# KiCad board main-pcb.kicad_pcb
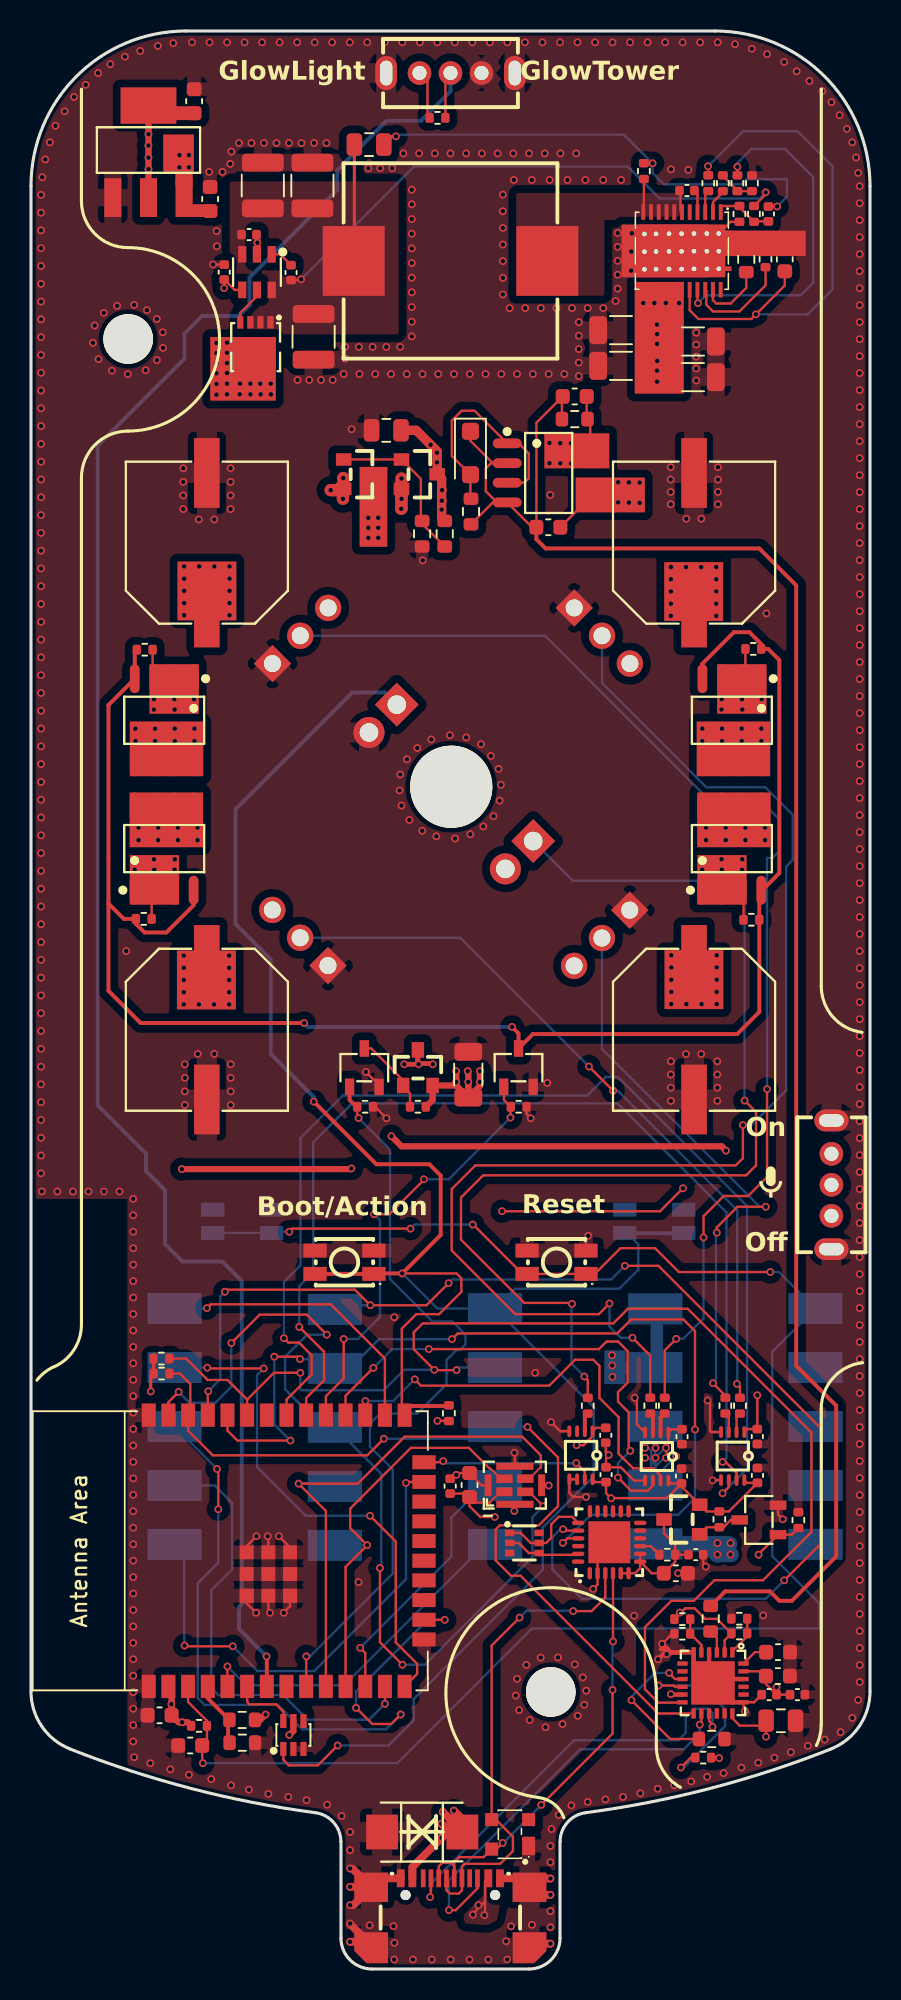
[diagram p0: board, top side]
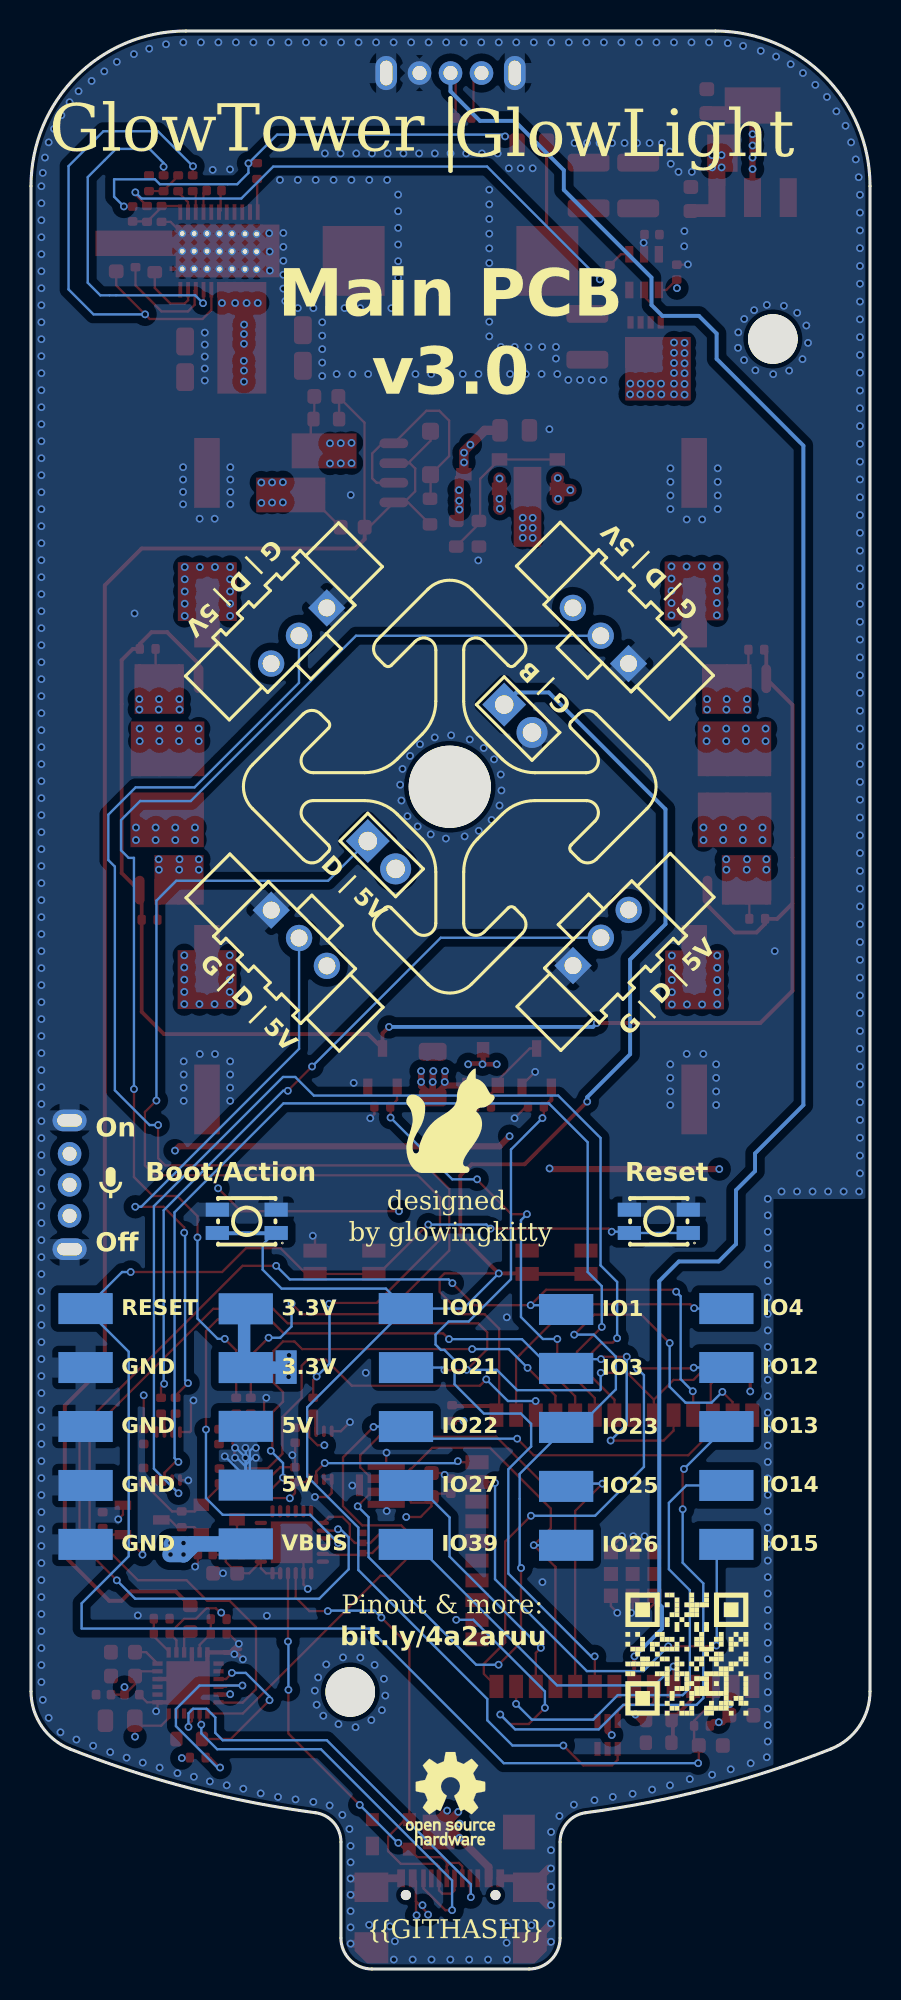
[diagram p1: board, bottom side, seen from below]

Outline 54.14 x 125 mm; copper layers: Top, In1.Cu, In2.Cu, In3.Cu, In4.Cu, Bottom. Coordinates in mm from the lower left corner of the outline.
Outline path: 0,115 0,17.91 arc(0.69,15.66) 2.53,14.19 arc(10.31,11.65) 18.35,10.08 arc(19.53,9.45) 20,8.2 20,2 arc(20.59,0.59) 22,0 32.14,0 arc(33.55,0.59) 34.14,2 34.14,8.2 arc(34.61,9.45) 35.79,10.08 arc(43.83,11.65) 51.61,14.19 arc(53.45,15.66) 54.14,17.91 54.14,115 arc(51.21,122.07) 44.14,125 9.99,125 arc(2.93,122.07) 0,115
Stack: Top 0.035mm / dielectric 0.1mm FR4 er 4.5 / In1.Cu 0.035mm / dielectric 0.535mm FR4 er 4.5 / In2.Cu 0.035mm / dielectric 0.1mm FR4 er 4.5 / In3.Cu 0.035mm / dielectric 0.535mm FR4 er 4.5 / In4.Cu 0.035mm / dielectric 0.1mm FR4 er 4.5 / Bottom 0.035mm

## Placement (name value [footprint] x y rotation side)
C1  -  [C0603]  8.3 16.36 180 top
C2  -  [C0603]  10.27 14.41 180 top
C3  -  [C0402]  42.9 26.72 0 top
C4  -  [C0603]  41.61 25.52 0 top
C5  -  [C0603]  28.3 31.21 90 top
C6  -  [C0402]  27.05 31.14 90 top
C7  -  [C0402]  46.88 31.83 90 top
C8  -  [C0402]  46.87 34.34 270 top
C9  -  [C0402]  41.98 31.79 90 top
C10  -  [C0402]  42.01 34.33 270 top
C11  -  [C0402]  37.11 31.88 90 top
C12  -  [C0402]  37.09 34.42 270 top
C13  -  [C0805]  22.93 99.24 180 top
C14  -  [C0603]  35.08 101.43 180 top
C15  -  [C0603]  33.38 92.99 180 top
C16  -  [C0805]  48.39 16.01 0 top
C17  -  [C0603]  48.21 20.43 0 top
C18  -  [C0603]  48.2 18.89 0 top
C19  -  [C0402]  49.46 17.69 0 top
C20  -  [C0402]  47.63 17.69 180 top
C21  -  [C1206]  42.72 104.97 0 top
C22  -  [C1206]  42.72 102.67 0 top
C23  -  [C1206]  38.07 103.4 180 top
C24  -  [C1206]  38.07 105.7 180 top
C25  -  [C0402]  42.32 114.71 0 top
C26  -  [C0805]  21.82 117.67 180 top
C27  -  [C0402]  47.58 113.2 90 top
C28  -  [C1210]  18.16 115.03 90 top
C29  -  [C1210]  18.24 105.27 270 top
C30  -  [C1210]  14.96 115.03 90 top
C31  -  [C0603]  48.64 110.27 90 top
C32  -  [C0402]  14.07 111.87 0 top
C33  -  [C0402]  16.78 109.42 90 top
C34  -  [C0402]  12.47 109.45 90 top
C35  -  [C0603]  11.56 114.16 90 top
C36  -  [C0603]  10.53 120.47 90 top
C37  -  [C1206]  28.22 57.68 90 top
C38  -  [CAP-SMD_BD10.0-L10.3-W10.3-LS10.9-FD]  11.35 91.99 90 top
C39  -  [CAP-SMD_BD10.0-L10.3-W10.3-LS10.9-FD]  42.79 91.99 90 top
C40  -  [CAP-SMD_BD10.0-L10.3-W10.3-LS10.9-FD]  11.35 60.58 270 top
C41  -  [CAP-SMD_BD10.0-L10.3-W10.3-LS10.9-FD]  42.79 60.58 270 top
DZ1  -  [D_SOD-123F]  28.36 97.78 270 top
L1  2.2 +/- 0.44 (20%) microhenry  [IND-SMD_L13.8-W12.6_SMMS1360]  27.07 110.17 180 top
R1  -  [R0402]  10.84 15.68 180 top
R2  -  [R0402]  26.97 35.85 270 top
R3  -  [R0402]  8.42 39.37 180 top
R4  -  [R0402]  8.42 38.41 180 top
R5  -  [R0402]  41.06 26.72 0 top
R6  -  [R0402]  44.42 29 90 top
R7  -  [R0402]  49.52 28.95 90 top
R8  -  [R0402]  26.23 119.4 180 top
R9  -  [R0402]  40.9 36.33 270 top
R10  -  [R0402]  39.96 36.33 270 top
R11  -  [R0402]  45.75 36.33 270 top
R12  -  [R0402]  44.81 36.33 270 top
R13  -  [R0402]  35.93 36.33 270 top
R14  -  [R0603]  35.08 99.97 180 top
R15  -  [R0603]  43.86 22.59 90 top
R16  -  [R0603]  28.39 94.01 270 top
R17  -  [R0603]  26.7 92.57 270 top
R18  -  [R0603]  25.24 92.57 90 top
R19  -  [R0603]  43.93 14.83 0 top
R20  -  [R0402]  43.38 13.63 0 top
R21  -  [R0603]  13.63 16.06 180 top
R22  -  [R0603]  13.64 14.59 180 top
R23  -  [R0402]  45.71 21.64 0 top
R24  -  [R0402]  45.71 22.59 0 top
R25  -  [R0402]  42.03 22.56 0 top
R26  -  [R0402]  42.03 21.62 0 top
R27  -  [R0402]  44.64 115.18 270 top
R28  -  [R0402]  45.58 115.18 270 top
R29  -  [R0402]  46.52 115.18 90 top
R30  -  [R0402]  39.55 115.96 90 top
R31  -  [R0402]  46.65 113.2 270 top
R32  -  [R0402]  45.71 113.2 270 top
R33  -  [R0402]  43.7 115.18 90 top
R34  -  [R0402]  47.4 110.27 90 top
R35  -  [R0603]  46.15 110.27 90 top
R36  -  [R0402]  24.97 55.61 0 top
R37  -  [R0402]  21.56 55.61 0 top
R38  -  [R0402]  7.34 85.09 0 top
R39  -  [R0402]  46.61 85.14 180 top
R40  -  [R0402]  7.28 67.73 0 top
R41  -  [R0402]  46.49 67.67 180 top
R42  -  [R0402]  31.47 55.61 0 top
REF**  -  [OSHW-Logo_5.7x6mm_SilkScreen]  27.08 10.98 180 bottom
U1  -  [ESP32-WROOM-32E]  14.61 26.97 90 top
U2  -  [SW-SMD_4P-L3.7-W3.0-P1.50-LS4.7]  33.91 45.58 180 top
U3  -  [SW-SMD_4P-L3.7-W3.0-P1.50-LS4.7]  20.23 45.58 180 top
U4  -  [SW-SMD_4P-L3.7-W3.0-P1.50-LS4.7]  40.22 48.22 0 bottom
U5  -  [SW-SMD_4P-L3.7-W3.0-P1.50-LS4.7]  13.63 48.22 0 bottom
U6  -  [USB-C-SMD_TYPE-C-31-M-22]  27.06 3.61 0 top
U7  -  [SMB_L4.6-W3.6-LS5.3-BI]  25.25 8.83 180 top
U8  -  [QFN-24_L4.0-W4.0-P0.50-TL-EP2.6]  37.31 27.52 90 top
U9  -  [SOT-143-4_L2.9-W1.3-P1.92-LS2.4-BL]  30.92 8.68 90 top
U10  -  [SC-70-6_L2.2-W1.3-P0.65-LS2.1-BR]  31.84 27.48 180 top
U11  -  [SOT-23_L2.9-W1.3-P1.90-LS2.4-BR]  42 28.99 0 top
U12  -  [SOT-23-3_L2.9-W1.6-P1.90-LS2.8-BR]  46.97 28.96 0 top
U13  -  [MIC-SMD_8P-L4.0-W3.0_ZTS6231]  31.22 31.18 270 top
U14  -  [SW-TH_SK12D07VG4]  51.65 50.58 90 top
U15  -  [SW-TH_SK12D07VG4]  27.07 122.29 180 top
U16  -  [HDR-TH_3P-P2.54-V-M]  17.38 85.99 45 bottom
U17  -  [HDR-TH_3P-P2.54-V-M]  36.85 85.99 315 bottom
U18  -  [HDR-TH_3P-P2.54-V-M]  17.37 66.51 135 bottom
U19  -  [HDR-TH_3P-P2.54-V-M]  36.84 66.5 225 bottom
U20  -  [HDR-TH_2P-P2.54-V-M]  22.71 80.65 225 bottom
U21  -  [HDR-TH_2P-P2.54-V-M]  31.51 71.85 225 bottom
U22  -  [VSSOP-8_L2.4-W2.1-P0.50-LS3.2-BR]  40.38 33.05 90 top
U23  -  [VSSOP-8_L2.4-W2.1-P0.50-LS3.2-BR]  45.28 33.08 90 top
U24  -  [VSSOP-8_L2.4-W2.1-P0.50-LS3.2-BR]  35.49 33.13 90 top
U25  -  [SOT-363_L2.0-W1.3-P0.65-LS2.1-BR]  16.93 15.09 270 top
U26  -  [TQFN-24_L4.0-W4.0-P0.50-TL-EP2.8]  44.01 18.45 270 top
U27  -  [SOP-8_L4.9-W3.9-P1.27-LS6.0-BL]  33.41 96.49 270 top
U28  -  [SOT-23_L2.9-W1.3-P1.90-LS2.4-BR]  25.06 96.41 180 top
U29  -  [SOT-23_L2.9-W1.3-P1.90-LS2.4-BR]  21.33 96.41 180 top
U30  -  [LSON-CLIP-22_L6.0-W5.0-P0.50-BL-EP]  41.92 111.04 180 top
U31  -  [SOT-23-6_L2.9-W1.6-P0.95-LS2.8-BL]  14.58 109.45 180 top
U32  -  [PDFN-8_L3.2-W3.0-P0.65-LS3.3-BL-1]  14.48 104.61 180 top
U33  -  [SOT-223-3_L6.5-W3.4-P2.30-LS7.0-BR]  7.58 117.22 270 top
U34  -  [SOT-23_L2.9-W1.3-P1.90-LS2.4-BR]  24.97 58.13 270 top
U35  -  [SOT-23-3_L2.9-W1.6-P1.90-LS2.8-BR]  21.51 58.13 270 top
U36  -  [SOP-8_L4.9-W3.9-P1.27-LS6.0-BL]  8.6 80.54 180 top
U37  -  [SOP-8_L4.9-W3.9-P1.27-LS6.0-BL]  45.23 80.54 180 top
U38  -  [SOP-8_L4.9-W3.9-P1.27-LS6.0-BL]  8.6 72.26 0 top
U39  -  [SOP-8_L4.9-W3.9-P1.27-LS6.0-BL]  45.23 72.26 0 top
U40  -  [SOT-23-3_L2.9-W1.6-P1.90-LS2.8-BR]  31.46 58.13 270 top
U41  -  [SolderPad_2mm_3_5mm]  40.23 27.34 270 bottom
U42  -  [SolderPad_2mm_3_5mm]  40.23 34.92 270 bottom
U43  -  [SolderPad_2mm_3_5mm]  40.23 31.13 270 bottom
U44  -  [SolderPad_2mm_3_5mm]  40.23 42.51 270 bottom
U45  -  [SolderPad_2mm_3_5mm]  40.23 38.71 270 bottom
U46  -  [SolderPad_2mm_3_5mm]  50.57 34.91 270 bottom
U47  -  [SolderPad_2mm_3_5mm]  50.57 27.31 270 bottom
U48  -  [SolderPad_2mm_3_5mm]  50.57 31.11 270 bottom
U49  -  [SolderPad_2mm_3_5mm]  50.57 38.72 270 bottom
U50  -  [SolderPad_2mm_3_5mm]  29.89 38.71 270 bottom
U51  -  [SolderPad_2mm_3_5mm]  29.89 34.91 270 bottom
U52  -  [SolderPad_2mm_3_5mm]  19.56 34.85 270 bottom
U53  -  [SolderPad_2mm_3_5mm]  19.56 31.05 270 bottom
U54  -  [SolderPad_2mm_3_5mm]  19.56 27.25 270 bottom
U55  -  [SolderPad_2mm_3_5mm]  9.22 42.52 270 bottom
U56  -  [SolderPad_2mm_3_5mm]  9.22 34.91 270 bottom
U57  -  [SolderPad_2mm_3_5mm]  9.22 31.11 270 bottom
U58  -  [SolderPad_2mm_3_5mm]  9.22 27.31 270 bottom
U59  -  [SolderPad_2mm_3_5mm]  9.22 38.72 270 bottom
U60  -  [SolderPad_2mm_3_5mm]  50.57 42.52 270 bottom
U61  -  [SolderPad_2mm_3_5mm]  19.56 42.46 270 bottom
U62  -  [SolderPad_2mm_3_5mm]  19.56 38.66 270 bottom
U63  -  [SolderPad_2mm_3_5mm]  29.89 31.11 270 bottom
U64  -  [SolderPad_2mm_3_5mm]  30 27.46 90 bottom
U65  -  [SolderPad_2mm_3_5mm]  29.9 42.52 270 bottom
U66  -  [MountingHole_5.3mm_M5]  27.12 76.25 0 top
U67  -  [MountingHole_3.2mm_M3]  33.54 17.87 0 top
U68  -  [MountingHole_3.2mm_M3]  6.27 105.13 0 top

## Footprints (pads in the part's own frame, mm; a bottom-side part is the same pattern mirrored in y, then rotated)
C0402
  rrect 0.56x0.62 smd: 1(-0.48,0) 2(0.48,0)
C0603
  rrect 0.9x0.95 smd: 1(-0.775,0) 2(0.775,0)
C0805
  rrect 1x1.45 smd: 1(-0.95,0) 2(0.95,0)
C1206
  rrect 1.15x1.8 smd: 1(-1.475,0) 2(1.475,0)
C1210
  rrect 1.15x2.7 smd: 1(-1.475,0) 2(1.475,0)
CAP-SMD_BD10.0-L10.3-W10.3-LS10.9-FD
  rect 4.5x1.65 smd: 1(-4.5,0) 2(4.5,0)
D_SOD-123F
  rrect 1.1x1.1 smd: 1(-1.4,0) 2(1.4,0)
ESP32-WROOM-32E
  rect 1.5x0.9 smd: 1(-8.75,7.01) 2(-8.75,5.74) 3(-8.75,4.47) 4(-8.75,3.2) 5(-8.75,1.93) 6(-8.75,0.66) 7(-8.75,-0.61) 8(-8.75,-1.88) 9(-8.75,-3.15) 10(-8.75,-4.42) 11(-8.75,-5.69) 12(-8.75,-6.96) 13(-8.75,-8.23) 14(-8.75,-9.5) 25(8.75,-9.5) 26(8.75,-8.23) 27(8.75,-6.96) 28(8.75,-5.69) 29(8.75,-4.42) 30(8.75,-3.15) 31(8.75,-1.88) 32(8.75,-0.61) 33(8.75,0.66) 34(8.75,1.93) 35(8.75,3.2) 36(8.75,4.47) 37(8.75,5.74) 38(8.75,7.01)
  rect 0.9x1.5 smd: 15(-5.72,-10.75) 16(-4.45,-10.75) 17(-3.18,-10.75) 18(-1.91,-10.75) 19(-0.64,-10.75) 20(0.63,-10.75) 21(1.9,-10.75) 22(3.17,-10.75) 23(4.44,-10.75) 24(5.71,-10.75)
  rect 0.9x0.9 smd: 39(-2.9,0.69) 39(-2.9,0.69) 39(-2.9,-0.71) 39(-2.9,-2.11) 39(-2.9,-2.11) 39(-1.5,0.69) 39(-1.5,-0.71) 39(-1.5,-2.11) 39(-1.5,-2.11) 39(-0.1,0.69) 39(-0.1,-0.71) 39(-0.1,-2.11)
HDR-TH_2P-P2.54-V-M
  round 2 hole 1.2: 1(1.27,0)
  rect 2x2 hole 1.2: 2(-1.27,0)
HDR-TH_3P-P2.54-V-M
  round 1.7 hole 1.1: 1(2.54,0) 2(0,0)
  rect 1.7x1.7 hole 1.1: 3(-2.54,0)
IND-SMD_L13.8-W12.6_SMMS1360
  rect 4x4.5 smd: 1(-6.25,0) 2(6.25,0)
LSON-CLIP-22_L6.0-W5.0-P0.50-BL-EP
  rect 0.25x1 smd: 1(-2.586,-2.282) 2(-2.086,-2.282) 3(-1.586,-2.282) 4(-1.086,-2.282) 5(-0.586,-2.282) 6(-0.086,-2.282) 7(0.414,-2.282) 8(0.912,-2.289) 9(1.415,-2.286) 10(1.914,-2.288) 11(2.414,-2.288) 12(2.418,2.729) 13(1.917,2.725) 14(1.417,2.724) 15(0.918,2.724) 16(0.417,2.724) 17(-0.082,2.725) 18(-0.582,2.725) 19(-1.082,2.725) 20(-1.584,2.722) 21(-2.082,2.723) 22(-2.582,2.725)
  round 0.5 hole 0.3: 23(-2.46,1.38) 23(-2.46,0.24) 23(-2.46,-0.9) 23(-1.69,1.38) 23(-1.69,0.24) 23(-1.69,-0.9) 23(-0.86,1.38) 23(-0.86,0.24) 23(-0.86,-0.9) 23(-0.06,1.39) 23(-0.06,0.25) 23(-0.06,-0.89) 23(0.75,1.39) 23(0.75,0.25) 23(0.75,-0.89) 23(1.59,1.4) 23(1.59,0.26) 23(1.59,-0.88) 23(2.34,1.41) 23(2.34,0.27) 23(2.34,-0.87)
  custom 6.4x6.4 smd: 23(-0.079,0.22)
MIC-SMD_8P-L4.0-W3.0_ZTS6231
  rect 0.55x1.05 smd: 1(0.41,-0.67) 2(0.41,0.68) 3(-0.44,0.68) 4(-0.44,-0.67)
  rect 1.4x0.45 smd: 5(-0.015,-1.72) 7(-0.015,1.73)
  rect 0.45x2.4 smd: 6(1.21,0.005) 8(-1.24,0.005)
MountingHole_3.2mm_M3
  round 3.2 hole 3.2 unplated: (0,0)
MountingHole_5.3mm_M5
  round 5.3 hole 5.3 unplated: (0,0)
PDFN-8_L3.2-W3.0-P0.65-LS3.3-BL-1
  rect 0.4x0.8 smd: 1(-0.975,-1.6) 2(-0.325,-1.6) 3(0.325,-1.6) 4(0.975,-1.6) 5(0.975,1.6) 6(0.325,1.6) 7(-0.325,1.6) 8(-0.975,1.6)
  rect 2.6x2 smd: 9(-0.005,0.35)
QFN-24_L4.0-W4.0-P0.50-TL-EP2.6
  oval 0.8x0.28 smd: 1(-2,1.25) 2(-2,0.75) 3(-2,0.25) 4(-2,-0.25) 5(-2,-0.75) 6(-2,-1.25) 13(2,-1.25) 14(2,-0.75) 15(2,-0.25) 16(2,0.25) 17(2,0.75) 18(2,1.24)
  oval 0.28x0.8 smd: 7(-1.25,-2) 8(-0.75,-2) 9(-0.25,-2) 10(0.25,-2) 11(0.75,-2) 12(1.25,-2) 19(1.25,2) 20(0.75,2) 21(0.25,2) 22(-0.25,2) 23(-0.75,2) 24(-1.25,2)
  rect 2.7x2.7 smd: 25(0,-0.01)
R0402
  rrect 0.54x0.64 smd: 1(-0.51,0) 2(0.51,0)
R0603
  rrect 0.8x0.95 smd: 1(-0.825,0) 2(0.825,0)
SC-70-6_L2.2-W1.3-P0.65-LS2.1-BR
  rect 0.6x0.42 smd: 1(0.95,-0.65) 2(0.95,0) 3(0.95,0.65) 4(-0.95,0.65) 5(-0.95,0) 6(-0.95,-0.65)
SMB_L4.6-W3.6-LS5.3-BI
  rect 2.05x2.24 smd: 1(-2.59,0) 2(2.59,0)
SolderPad_2mm_3_5mm
  rect 2x3.5 smd: 1(-0.076,-0.051)
SOP-8_L4.9-W3.9-P1.27-LS6.0-BL
  oval 0.63x1.86 smd: 1(-1.91,-2.68) 2(-0.63,-2.68) 3(0.63,-2.68) 4(1.9,-2.68) 5(1.9,2.68) 6(0.63,2.68) 7(-0.63,2.68) 8(-1.91,2.68)
SOT-23-3_L2.9-W1.6-P1.90-LS2.8-BR
  rect 1.07x0.6 smd: 1(1.24,-0.95) 2(1.24,0.95) 3(-1.24,0)
SOT-23-6_L2.9-W1.6-P0.95-LS2.8-BL
  rect 0.53x1.07 smd: 1(-0.95,-1.15) 2(0,-1.15) 3(0.95,-1.15) 4(0.95,1.15) 5(0,1.15) 6(-0.95,1.15)
SOT-23_L2.9-W1.3-P1.90-LS2.4-BR
  rect 1x0.8 smd: 1(1.15,-0.95) 2(1.15,0.95) 3(-1.15,0)
SOT-143-4_L2.9-W1.3-P1.92-LS2.4-BL
  rect 1.194x0.838 smd: 1(-0.75,-1.191)
  rect 0.838x0.838 smd: 2(0.95,-1.191) 3(0.95,1.191) 4(-0.95,1.191)
SOT-223-3_L6.5-W3.4-P2.30-LS7.0-BR
  rect 2.5x1.1 smd: 1(2.97,-2.3) 2(2.97,0) 3(2.97,2.3)
  rect 2.34x3.6 smd: 4(-2.97,0)
SOT-363_L2.0-W1.3-P0.65-LS2.1-BR
  rect 0.9x0.4 smd: 1(0.9,-0.65) 2(0.9,0) 3(0.9,0.65) 4(-0.9,0.65) 5(-0.9,0) 6(-0.9,-0.65)
SW-SMD_4P-L3.7-W3.0-P1.50-LS4.7
  rect 1.5x0.9 smd: 1(-1.9,0.75) 1(1.9,0.75) 2(-1.9,-0.75) 2(1.9,-0.75)
SW-TH_SK12D07VG4
  round 1.524 hole 0.914: 1(-2,0) 2(0,0) 3(2,0)
  oval 1.4x2.2 hole 0.8x1.6: 4(4.15,0) 5(-4.15,0)
TQFN-24_L4.0-W4.0-P0.50-TL-EP2.8
  rect 0.665x0.28 smd: 1(-1.97,1.25) 2(-1.97,0.75) 3(-1.97,0.25) 4(-1.97,-0.25) 5(-1.97,-0.75) 6(-1.97,-1.25) 13(1.97,-1.25) 14(1.97,-0.75) 15(1.97,-0.25) 16(1.97,0.25) 17(1.97,0.75) 18(1.97,1.25)
  rect 0.28x0.665 smd: 7(-1.25,-1.97) 8(-0.75,-1.97) 9(-0.25,-1.97) 10(0.25,-1.97) 11(0.75,-1.97) 12(1.25,-1.97) 19(1.25,1.97) 20(0.75,1.97) 21(0.25,1.97) 22(-0.25,1.97) 23(-0.75,1.97) 24(-1.25,1.97)
  rect 2.8x2.8 smd: 25(0,0)
USB-C-SMD_TYPE-C-31-M-22
  round 0.65 hole 0.65 unplated: (-2.89,1.16) (2.89,1.16)
  rect 0.5x1.15 smd: 1(-3.2,2.24) 2(-2.45,2.24) 11(2.45,2.24) 12(3.2,2.24)
  rect 0.3x1.15 smd: 3(-1.75,2.24) 4(-1.25,2.24) 5(-0.75,2.24) 6(-0.25,2.24) 7(0.25,2.24) 8(0.75,2.24) 9(1.25,2.24) 10(1.75,2.24)
  rect 2.18x1.9 smd: 13(5.11,1.66) 16(-5.11,1.66)
  rrect 2.18x2 smd: 14(5.11,-2.24) 15(-5.11,-2.24)
VSSOP-8_L2.4-W2.1-P0.50-LS3.2-BR
  oval 0.75x0.25 smd: 1(1.55,-0.75) 2(1.55,-0.25) 3(1.55,0.25) 4(1.55,0.75) 5(-1.55,0.75) 6(-1.55,0.25) 7(-1.55,-0.25) 8(-1.55,-0.75)

## Nets
gnd: C1.2 C2.2 C3.2 C4.2 C5.2 C6.2 C7.2 C8.2 C9.2 C10.2 C11.2 C12.2 C13.2 C16.2 C17.2 C18.2 C19.2 C20.2 C21.2 C22.2 C23.2 C24.2 C28.2 C29.2 C30.2 C31.2 C32.2 C34.2 C35.2 C36.2 C37.2 C38.2 C39.2 C40.2 C41.2 R7.2 R18.1 R19.2 R22.1 R24.1 R26.1 R29.2 R32.2 R34.2 R35.2 R37.2 R42.2 U1.1 U1.15 U1.38 U1.39 U2.2 U3.2 U4.2 U5.2 U6.1 U6.12 U6.13 U6.14 U6.15 U6.16 U7.2 U8.2 U8.25 U9.1 U12.2 U13.5 U13.6 U13.7 U13.8 U14.4 U14.5 U15.1 U15.4 U15.5 U16.3 U17.3 U18.3 U19.3 U20.1 U22.4 U22.5 U23.4 U23.5 U24.4 U24.5 U24.6 U25.2 U25.3 U26.4 U26.6 U26.19 U26.22 U26.25 U30.23 U31.2 U33.1 U35.2 U40.2 U46.1 U47.1 U48.1 U49.1
vbus: C13.1 C14.1 C16.1 R7.1 R14.1 R17.1 U6.2 U6.11 U7.1 U12.1 U26.18 U27.7 U27.8 U28.3
vbus_fet_en: R15.1 U26.3
vcc: C15.1 C21.1 C22.1 C23.1 C24.1 R21.1 R28.1 U26.11 U27.5 U27.6 U30.12 U30.13 U30.14 U30.15 U30.16 U30.17 U30.19 U41.1
vcc-1: C8.1 C10.1 C12.1 C34.1 C35.1 C37.1 C38.1 C39.1 C40.1 C41.1 R36.2 R38.2 R39.2 R40.2 R41.2 U22.1 U23.1 U24.1 U29.3 U31.4 U32.5 U32.6 U32.7 U32.8 U32.9 U33.3 U34.2 U36.1 U36.2 U36.3 U37.1 U37.2 U37.3 U38.1 U38.2 U38.3 U39.1 U39.2 U39.3 U42.1 U43.1
vcc-2: C1.1 C7.1 C9.1 C11.1 C36.1 R1.2 R2.2 R3.2 R4.2 R6.2 R8.2 U1.2 U11.2 U14.3 U15.3 U22.8 U23.8 U24.8 U25.5 U33.2 U33.4 U44.1 U45.1
_1y: U1.6 U25.6
_2y: U25.4
a: U14.1
b: R8.1 U1.7 U15.2
buck_converter_5v.circuit-vcc: C26.2 C28.1 C29.1 C30.1 C32.1 C33.1 L1.2 R31.1 U31.3 U31.6 U32.1 U32.2 U32.3
buck_converter_5v.circuit.reverse_flow_protection_ideal_diode.ic-gate: U31.5 U32.4
buck_converter_5v.circuit.rlbst_resistor-vcc: C26.1 C27.2 R30.2
cc1: U6.4 U26.15
cc2: U6.10 U26.14
cs: U1.23 U58.1
cts: U8.18
dcd: U8.24
dm: U6.5 U6.7 U8.4 U9.4
dminus: U26.16
dnu1: U26.20
dnu2: U26.21
dp: U6.6 U6.8 U8.3 U9.3
dplus: U26.17
dsr: U8.22
dtr: U8.23 U10.2 U10.4
en: R27.2 U30.2
esp32.ic-control: R37.1 U1.9 U35.1
esp32.ic-control-1: R42.1 U1.29 U40.1
fault: R19.1 U26.9
flip: R20.1 U26.10
gpio_0_txt: U8.14
gpio_1: U26.8
gpio_1_rxt: U8.13
gpio_2_rs485: U8.12
gpio_3_wakeup: U8.11
hpi_int: U26.7
input: R2.1 U1.25 U3.1 U4.1 U20.2 U25.1 U65.1
input1: U9.2
io2: U1.24 U24.7
io16: U1.27 U22.7
io17: U1.28 U22.6
io18: U1.30 U23.7
io19: U1.31 U23.6
io27: U1.12 U63.1
io32: U1.8
io39: U1.5 U64.1
led_power_mosfet_circuit.power_p_mosfet_resistor_1-gate: R38.1 R39.1 R40.1 R41.1 U36.4 U37.4 U38.4 U39.4 U40.3
led_ring_power_mosfet_circuit.power_p_mosfet_resistor-drain: R36.1 U34.1 U35.3
levelshifter_1.ic-a1: R9.2 U22.2
levelshifter_1.ic-a2: R10.2 U22.3
levelshifter_2.ic-a1: R11.2 U23.2
levelshifter_2.ic-a2: R12.2 U23.3
levelshifter_3.ic-a1: R13.2 U24.2
levelshifter_3.ic-a2: U24.3
ll: C25.1 L1.1 R30.1 U30.6 U30.7 U30.8 U30.9 U30.10 U30.11
microphone-vcc: C5.1 C6.1 U13.1 U14.2
miso: U1.16 U56.1
mode: R34.1 U30.20
mosi: U1.13 U57.1
p1: R27.1 R28.2 R29.1
p3: U10.3
p6: U10.6
pgood: R33.1 U30.3
pin_header_male_led_ring-vcc: U21.1 U34.3
pin_header_male_led_ring-vcc-1: R13.1 U21.2
pin_header_male_led_strip_1-vcc: U16.1 U36.5 U36.6 U36.7 U36.8
pin_header_male_led_strip_1-vcc-1: R9.1 U16.2
pin_header_male_led_strip_2-vcc: U17.1 U37.5 U37.6 U37.7 U37.8
pin_header_male_led_strip_2-vcc-1: R10.1 U17.2
pin_header_male_led_strip_3-vcc: U18.1 U38.5 U38.6 U38.7 U38.8
pin_header_male_led_strip_3-vcc-1: R11.1 U18.2
pin_header_male_led_strip_4-vcc: U19.1 U39.5 U39.6 U39.7 U39.8
pin_header_male_led_strip_4-vcc-1: R12.1 U19.2
power_out_vbus_readout: R21.2 R22.2 U1.4
reset: C2.1 R1.1 U1.3 U2.1 U5.1 U60.1
rf: U30.22
ri_clk: U8.1
rovp: U30.5
rstb: R5.1 U8.9
rts: U8.19 U10.1 U10.5
rx: U1.34 U8.21 U62.1
sbu1: U6.9
sbu2: U6.3
sck: U1.10 U13.3 U53.1
sck-1: U1.26 U55.1
scl: R4.1 U1.36 U26.13 U51.1
sd: U1.11 U13.4 U54.1
sda: R3.1 U1.33 U26.12 U50.1
source: U28.2 U29.2
source1: DZ1.2 R16.1 U27.1 U27.3
suspend: U8.17
suspendb: U8.15
tdi: U1.14 U59.1
trip: R35.1 U30.21
tx: U1.35 U8.20 U61.1
usb_pd_ic-vcc: C18.1 C19.1 C20.1 R20.2 R23.1 R25.1 U26.2 U26.23
usb_pd_ic.cypd3177-vcc-1: C17.1 U26.24
usb_pd_ic.cypd3177.ic-power_out: R23.2 R24.2 U26.1
usb_pd_ic.cypd3177.ic-power_out-1: R25.2 R26.2 U26.5
usb_pd_ic.cypd3177.power_out_5v_load_switch.load_switch_mosfet_1-gate: R17.2 R18.2 U28.1 U29.1
usb_pd_ic.cypd3177.power_out_vbus_load_switch.load_switch_mosfet-gnd: C14.2 C15.2 DZ1.1 R14.2 R15.2 R16.2 U27.2 U27.4
usb_to_serial-vcc: C3.1 C4.1 R5.2 U8.5 U8.6 U8.7 U8.8 U11.3
usbserial_power_mosfet_circuit.power_p_mosfet_resistor-drain: R6.1 U11.1 U12.3
vbst: C25.2 U30.4
vcap: C33.2 U31.1
vfb: C27.1 R31.2 R32.1 U30.1
vreg: C31.1 R33.2 U30.18
ws: U1.37 U13.2 U52.1

Pads without a net: U1 17 18 19 20 21 22 32; U8 10 16

## Via types
v1: diameter 0.5, hole 0.3, Top to Bottom, 871 vias

## Routing (per net, layer and track width the routed paths; a pad name or vN(x,y) marks a point on that pad's centre or on a via; arc(x,y) is an arc through that point)
gnd: length 92.4
  Top w0.15: v1(14.61,111.34) 14.58,111.32 U31.2 ; 16.31,22.99 16.72,23.4 U1.39 ; v1(32.25,54.87) 31.98,55.14 R42.2 ; C40.2 11.47,56.08 ; C40.2 11.35,58.23 ; C40.2 11.35,56.93 ; C40.2 11.35,56.77 ; 15.36,22.97 15.32,23.01 U1.39 ; 32.74,5.83 U6.13 ; U6.13 32.65,4.78 ; U6.13 31.59,5.85 ; U24.4 34.15,34.68 v1(33.56,35.27) ; U2.2 35.81,47.15 v1(35.96,47.29) ; v1(20.59,2.94) 20.59,2.9 ; 16,27.9 16.72,27.18 U1.39 ; v1(46.07,16.62) 45.98,16.71 U26.19 46.65,17.2 C20.2 ; v1(14.53,22.97) 13.92,23.58 U1.39 ; v1(48.51,29) 48.21,29.3 U12.2 ; C31.2 47.66,111.05 R34.2 46.47,110.78 R35.2 ; 29.49,31.18 29.1,31.18 C5.2 27.56,31.99 v1(27.45,31.87) 27.3,31.87 C6.2 ; C41.2 43.49,56.78 ; C41.2 42.79,56.46 ; C41.2 42.79,57.05 ; C41.2 42.79,57.36 ; C41.2 42.37,56.08 ; C41.2 42.79,58.2 ; v1(11.75,109.94) 11.76,109.93 C34.2 ; v1(22.94,54.87) 22.2,55.61 R37.2 ; R32.2 45.14,112.69 U30.23 ; 15.28,27.9 15.32,27.86 U1.39 ; 44.26,18.7 U26.25 ; U26.25 42.76,19.7 ; U26.25 45.26,17.2 ; U26.25 43.76,18.7 ; C3.2 43.38,26.12 v1(43.55,25.95) ; C12.2 37.09,33.33 v1(37.28,33.14) 37.11,32.97 C11.2 38.06,32.36 38.92,31.5 U22.5 ; v1(35.82,30.44) 35,30.44 34.74,30.7 U24.5 U24.6 ; v1(43.66,36.67) 43.82,36.51 43.82,34.7 43.89,34.63 U23.4 ; U8.25 36.56,26.76 U8.2 36.56,24.79 v1(36.28,24.51) ; v1(20.59,4.12) 20.8,4.12 ; v1(31.2,33.3) 31.22,33.28 31.22,32.41 ; U35.2 22.46,57.01 v1(21.61,57.86) ; 32.44,1.63 U6.14 ; v1(14.55,27.91) 13.92,27.28 U1.39 ; 44.23,57.52 44.23,57.61 ; 9.88,57.55 9.88,57.59 ; 31.22,29.95 31.22,29.57 v1(31.19,29.54) ; U23.5 44.01,31.53 v1(43.99,31.51) ; 32.95,31.18 v1(33.41,31.18) ; v1(40.73,20.97) 41.38,21.62 R26.1 ; v1(20.59,6.48) 20.74,6.48 ; 21.95,1.54 U6.15 21.56,1.75 ; C4.2 v1(41.75,25.52) ; U22.4 39.1,35.13 39.1,36.7 v1(38.96,36.84) ; 21.92,5.3 U6.16
  Top w0.25: C38.2 11.35,95.37 ; C38.2 11.35,95.14 ; C38.2 11.35,96.2 ; C38.2 11.35,96.23
  Top w0.28: 40.65,20.63 41.07,20.63 41.16,20.54 ; 41.16,20.54 v1(40.73,20.97) ; 41.16,20.54 41.28,20.42 41.66,20.42 ; 41.66,20.42 U26.6 42.76,19.7 ; 41.66,20.42 41.13,20.42 v1(41.02,20.3) ; 41.66,20.42 40.91,20.42 v1(40.47,19.97) ; U26.19 45.26,17.2 ; 43.76,18.7 U26.4 ; U26.22 44.26,18.7
  Top w0.3: R35.2 45.87,110.81 44.4,110.81 U30.23
  Top w0.5: 20.74,6.48 U6.16 ; U6.16 20.8,4.12 ; U6.16 22.53,5.85 U6.1 ; v1(20.59,5.3) 21.92,5.3 ; v1(33.52,1.63) 32.44,1.63 ; v1(33.52,5.83) 32.74,5.83 ; v1(33.52,4.78) 32.65,4.78 ; U6.12 31.59,5.85 ; v1(20.59,1.75) 21.56,1.75 ; 20.59,2.9 21.95,1.54
  vias: v1(0.73,115.57) v1(0.65,114.43) v1(0.65,113.29) v1(0.65,112.14) v1(0.65,110.99) v1(0.65,109.84) v1(0.65,108.7) v1(0.65,107.55) v1(0.65,106.4) v1(0.65,105.25) v1(0.65,104.11) v1(0.65,102.96) v1(0.65,101.81) v1(0.65,100.66) v1(0.65,99.52) v1(0.65,98.37) v1(0.65,97.22) v1(0.65,96.07) v1(0.65,94.93) v1(0.65,93.78) v1(0.65,92.63) v1(0.65,91.48) v1(0.65,90.34) v1(0.65,89.19) v1(0.65,88.04) v1(0.65,86.89) v1(0.65,85.75) v1(0.65,84.6) v1(0.65,83.45) v1(0.65,82.3) v1(0.65,81.16) v1(0.65,80.01) v1(0.65,78.86) v1(0.65,77.71) v1(0.65,76.56) v1(0.65,75.42) v1(0.65,74.27) v1(0.65,73.12) v1(0.65,71.97) v1(0.65,70.83) v1(0.65,69.68) v1(0.65,68.53) v1(0.65,67.38) v1(0.65,66.24) v1(0.65,65.09) v1(0.65,63.94) v1(0.65,62.79) v1(0.65,61.65) v1(0.65,60.5) v1(0.65,59.35) v1(0.65,58.2) v1(0.65,57.06) v1(0.65,55.91) v1(0.65,54.76) v1(0.65,53.61) v1(0.65,52.47) v1(0.65,51.32) v1(0.7,50.15) v1(0.92,116.72) v1(1.22,117.82) v1(1.58,118.89) v1(1.7,50.15) v1(2.17,119.82) v1(2.7,50.15) v1(2.78,120.75) v1(3.53,121.53) v1(3.71,50.15) v1(4,104.88) v1(4.11,106) v1(4.33,122.29) v1(4.36,103.83) v1(4.7,106.82) v1(4.71,50.15) v1(5.12,122.86) v1(5.22,103.09) v1(5.56,107.27) v1(5.71,50.15) v1(6.06,123.35) v1(6.15,65.65) v1(6.25,102.86) v1(6.6,49.67) v1(6.6,48.61) v1(6.6,47.55) v1(6.6,46.49) v1(6.6,45.43) v1(6.6,44.37) v1(6.6,43.31) v1(6.6,42.25) v1(6.6,41.19) v1(6.6,40.13) v1(6.6,39.07) v1(6.6,38.01) v1(6.6,36.95) v1(6.6,35.88) v1(6.6,34.82) v1(6.6,33.76) v1(6.6,32.7) v1(6.6,31.64) v1(6.6,30.58) v1(6.6,29.52) v1(6.6,28.46) v1(6.6,27.4) v1(6.6,26.34) v1(6.6,25.28) v1(6.6,24.22) v1(6.6,23.16) v1(6.6,22.1) v1(6.6,21.04) v1(6.6,19.98) v1(6.6,18.91) v1(6.6,17.85) v1(6.6,16.79) v1(6.6,15.73) v1(6.6,14.67) v1(6.66,107.33) v1(6.66,13.66) v1(7.05,123.72) v1(7.4,103.11) v1(7.48,106.99) v1(7.7,13.27) v1(8.12,106.42) v1(8.13,103.77) v1(8.19,124.04) v1(8.5,105.56) v1(8.52,104.56) v1(8.99,12.88) v1(9.18,124.22) v1(9.83,96.79) v1(9.83,95.92) v1(9.83,95.04) v1(9.83,94.16) v1(9.93,58.35) v1(9.93,57.48) v1(9.93,56.6) v1(9.93,55.73) v1(10.19,12.53) v1(10.39,124.27) v1(10.83,93.49) v1(10.76,59.02) v1(11.52,124.27) v1(11.5,115.91) v1(11.63,12.25) v1(11.83,93.49) v1(11.83,59.02) v1(11.98,112.09) v1(11.99,111.11) v1(12.36,115.91) v1(12.65,124.27) v1(12.93,117.22) v1(12.86,116.43) v1(12.88,96.79) v1(12.88,95.92) v1(12.88,95.04) v1(12.88,94.16) v1(12.89,58.35) v1(12.89,57.48) v1(12.89,56.6) v1(12.89,55.73) v1(12.91,11.85) v1(13.42,117.77) v1(13.78,124.27) v1(14.06,11.57) v1(14.23,117.77) v1(14.91,124.27) v1(15.03,117.77) v1(15.27,27.91) v1(15.32,11.3) v1(15.42,22.97) v1(15.84,117.77) v1(16,27.91) v1(16.04,124.27) v1(16.31,22.97) v1(16.6,11.1) v1(16.65,117.77) v1(17.17,124.27) v1(17.2,102.49) v1(17.45,117.77) v1(17.78,10.89) v1(17.95,102.49) v1(18.3,124.27) v1(18.26,117.77) v1(18.71,102.49) v1(19.07,117.77) v1(19.11,10.6) v1(19.44,124.27) v1(19.47,102.49) v1(20.04,9.87) v1(20.18,102.87) v1(20.27,104.62) v1(20.27,103.87) v1(20.57,124.27) v1(20.58,8.84) v1(20.59,7.66) v1(20.69,99.31) v1(21.16,104.62) v1(21.2,102.87) v1(21.14,24.95) v1(21.7,124.27) v1(21.77,116.14) v1(21.85,2.82) v1(22.04,104.62) v1(22.21,102.87) v1(22.54,116.14) v1(22.83,124.27) v1(22.93,104.62) v1(23.23,102.87) v1(23.31,116.14) v1(23.39,2.76) v1(23.43,0.61) v1(23.44,42.03) v1(23.45,1.69) v1(23.82,104.62) v1(23.83,77.04) v1(23.78,76.01) v1(23.91,75.04) v1(23.96,124.27) v1(24.03,117.1) v1(24.25,102.87) v1(24.26,78.02) v1(24.42,74.11) v1(24.57,114.76) v1(24.57,113.82) v1(24.57,112.87) v1(24.57,111.93) v1(24.57,110.98) v1(24.57,110.03) v1(24.57,109.09) v1(24.57,108.14) v1(24.57,107.2) v1(24.57,106.25) v1(24.57,105.3) v1(24.65,0.61) v1(24.93,78.75) v1(25.09,124.27) v1(25.04,117.1) v1(25.26,102.87) v1(25.28,90.85) v1(25.25,73.41) v1(25.83,79.3) v1(25.86,0.61) v1(26.06,117.1) v1(26.22,124.27) v1(26.16,73.05) v1(26.28,102.87) v1(27.03,79.57) v1(27.07,117.1) v1(27.08,0.61) v1(27.3,102.87) v1(27.35,124.27) v1(27.37,72.91) v1(28.08,117.1) v1(28.09,79.43) v1(28.32,102.87) v1(28.3,0.61) v1(28.35,73.18) v1(28.48,124.27) v1(29.1,117.1) v1(29.04,78.99) v1(29.19,73.69) v1(29.33,102.87) v1(29.51,0.61) v1(29.61,124.27) v1(29.68,78.24) v1(29.85,74.35) v1(30.11,117.1) v1(30.17,77.4) v1(30.32,76.38) v1(30.24,75.36) v1(30.35,102.87) v1(30.45,114.45) v1(30.45,113.37) v1(30.45,112.3) v1(30.45,111.23) v1(30.45,110.15) v1(30.45,109.08) v1(30.45,108.01) v1(30.66,1.79) v1(30.73,0.61) v1(30.74,124.27) v1(30.88,107.12) v1(30.98,2.75) v1(31.12,117.1) v1(31.16,115.39) v1(31.28,17.63) v1(31.37,102.87) v1(31.37,18.71) v1(31.5,16.69) v1(31.87,124.27) v1(31.89,107.12) v1(31.97,19.61) v1(32.14,117.1) v1(32.18,16.05) v1(32.31,115.39) v1(32.32,2.85) v1(32.38,102.87) v1(32.54,38.45) v1(32.9,107.12) v1(32.89,20.08) v1(33,124.27) v1(33.15,117.1) v1(33.2,15.59) v1(33.32,57.15) v1(33.4,102.87) v1(33.46,115.39) v1(33.51,95.07) v1(33.52,7.93) v1(33.52,6.88) v1(33.52,3.73) v1(33.52,2.68) v1(33.59,9.03) v1(33.9,107.12) v1(34.01,20.09) v1(34.05,9.94) v1(34.13,124.27) v1(34.16,117.1) v1(34.3,15.79) v1(34.42,102.87) v1(34.62,115.39) v1(34.91,107.12) v1(34.87,10.55) v1(35.09,19.64) v1(35.18,117.1) v1(35.26,124.27) v1(35.28,16.33) v1(35.35,106.21) v1(35.35,105.35) v1(35.35,104.48) v1(35.35,103.61) v1(35.35,102.74) v1(35.61,18.8) v1(35.71,17.04) v1(35.77,115.39) v1(35.83,17.95) v1(35.92,107.12) v1(35.92,10.78) v1(36.4,124.27) v1(36.92,115.39) v1(36.92,107.12) v1(37.07,10.94) v1(37.53,124.27) v1(37.73,107.58) v1(37.86,111.97) v1(37.86,111.08) v1(37.86,110.18) v1(37.86,109.28) v1(37.86,108.38) v1(38.08,115.39) v1(38.2,11.1) v1(38.66,124.27) v1(38.73,109.54) v1(38.77,111.95) v1(38.74,110.77) v1(38.92,22.78) v1(39.32,11.33) v1(39.79,124.27) v1(40.44,11.63) v1(40.92,124.27) v1(41.3,116.07) v1(41.28,96.86) v1(41.28,96.07) v1(41.28,95.27) v1(41.28,94.47) v1(41.29,58.54) v1(41.29,57.69) v1(41.29,56.84) v1(41.29,55.99) v1(41.51,11.85) v1(42.05,124.27) v1(42.29,93.54) v1(42.27,59.01) v1(42.42,116.04) v1(42.6,12.1) v1(42.93,105.55) v1(42.93,104.77) v1(42.93,104) v1(42.93,103.23) v1(42.93,102.46) v1(43.18,124.27) v1(43.26,93.54) v1(43.25,59.01) v1(43.63,12.4) v1(44.31,124.27) v1(44.33,96.86) v1(44.33,96.07) v1(44.33,95.27) v1(44.33,94.47) v1(44.29,58.54) v1(44.29,57.69) v1(44.29,56.84) v1(44.29,55.99) v1(44.69,12.63) v1(45.43,124.14) v1(45.84,12.99) v1(46.51,123.86) v1(46.93,13.31) v1(47.25,22.8) v1(47.5,123.51) v1(47.46,87.43) v1(47.97,13.63) v1(48.6,123.01) v1(49.03,13.99) v1(49.41,122.4) v1(50.13,14.4) v1(50.23,121.78) v1(51.07,121.12) v1(51.21,14.8) v1(51.65,120.41) v1(52.18,119.57) v1(52.24,15.27) v1(52.65,118.69) v1(53,117.82) v1(53,16.2) v1(53.24,116.84) v1(53.38,115.85) v1(53.38,17.36) v1(53.47,114.99) v1(53.47,113.89) v1(53.47,112.8) v1(53.47,111.7) v1(53.47,110.6) v1(53.47,109.51) v1(53.47,108.41) v1(53.47,107.31) v1(53.47,106.22) v1(53.47,105.12) v1(53.47,104.02) v1(53.47,102.93) v1(53.47,101.83) v1(53.47,100.74) v1(53.47,99.64) v1(53.47,98.54) v1(53.47,97.45) v1(53.47,96.35) v1(53.47,95.25) v1(53.47,94.16) v1(53.47,93.06) v1(53.47,91.96) v1(53.47,90.87) v1(53.47,89.77) v1(53.47,88.68) v1(53.47,87.58) v1(53.47,86.48) v1(53.47,85.39) v1(53.47,84.29) v1(53.47,83.19) v1(53.47,82.1) v1(53.47,81) v1(53.47,79.9) v1(53.47,78.81) v1(53.47,77.71) v1(53.47,76.62) v1(53.47,75.52) v1(53.47,74.42) v1(53.47,73.33) v1(53.47,72.23) v1(53.47,71.13) v1(53.47,70.04) v1(53.47,68.94) v1(53.47,67.84) v1(53.47,66.75) v1(53.47,65.65) v1(53.47,64.56) v1(53.47,63.46) v1(53.47,62.36) v1(53.47,61.27) v1(53.47,60.17) v1(53.47,59.07) v1(53.47,57.98) v1(53.47,56.88) v1(53.47,55.78) v1(53.47,54.69) v1(53.47,53.59) v1(53.47,52.5) v1(53.47,51.4) v1(53.47,50.3) v1(53.47,49.21) v1(53.47,48.11) v1(53.47,47.01) v1(53.47,45.92) v1(53.47,44.82) v1(53.47,43.73) v1(53.47,42.63) v1(53.47,41.53) v1(53.47,40.44) v1(53.47,39.34) v1(53.47,38.24) v1(53.47,37.15) v1(53.47,36.05) v1(53.47,34.95) v1(53.47,33.86) v1(53.47,32.76) v1(53.47,31.67) v1(53.47,30.57) v1(53.47,29.47) v1(53.47,28.38) v1(53.47,27.28) v1(53.47,26.18) v1(53.47,25.09) v1(53.47,23.99) v1(53.47,22.89) v1(53.47,21.8) v1(53.47,20.7) v1(53.47,19.61) v1(53.47,18.51)